# Altium PCB DCAC_V2c.PcbDoc (part 7 of 7) (continued)
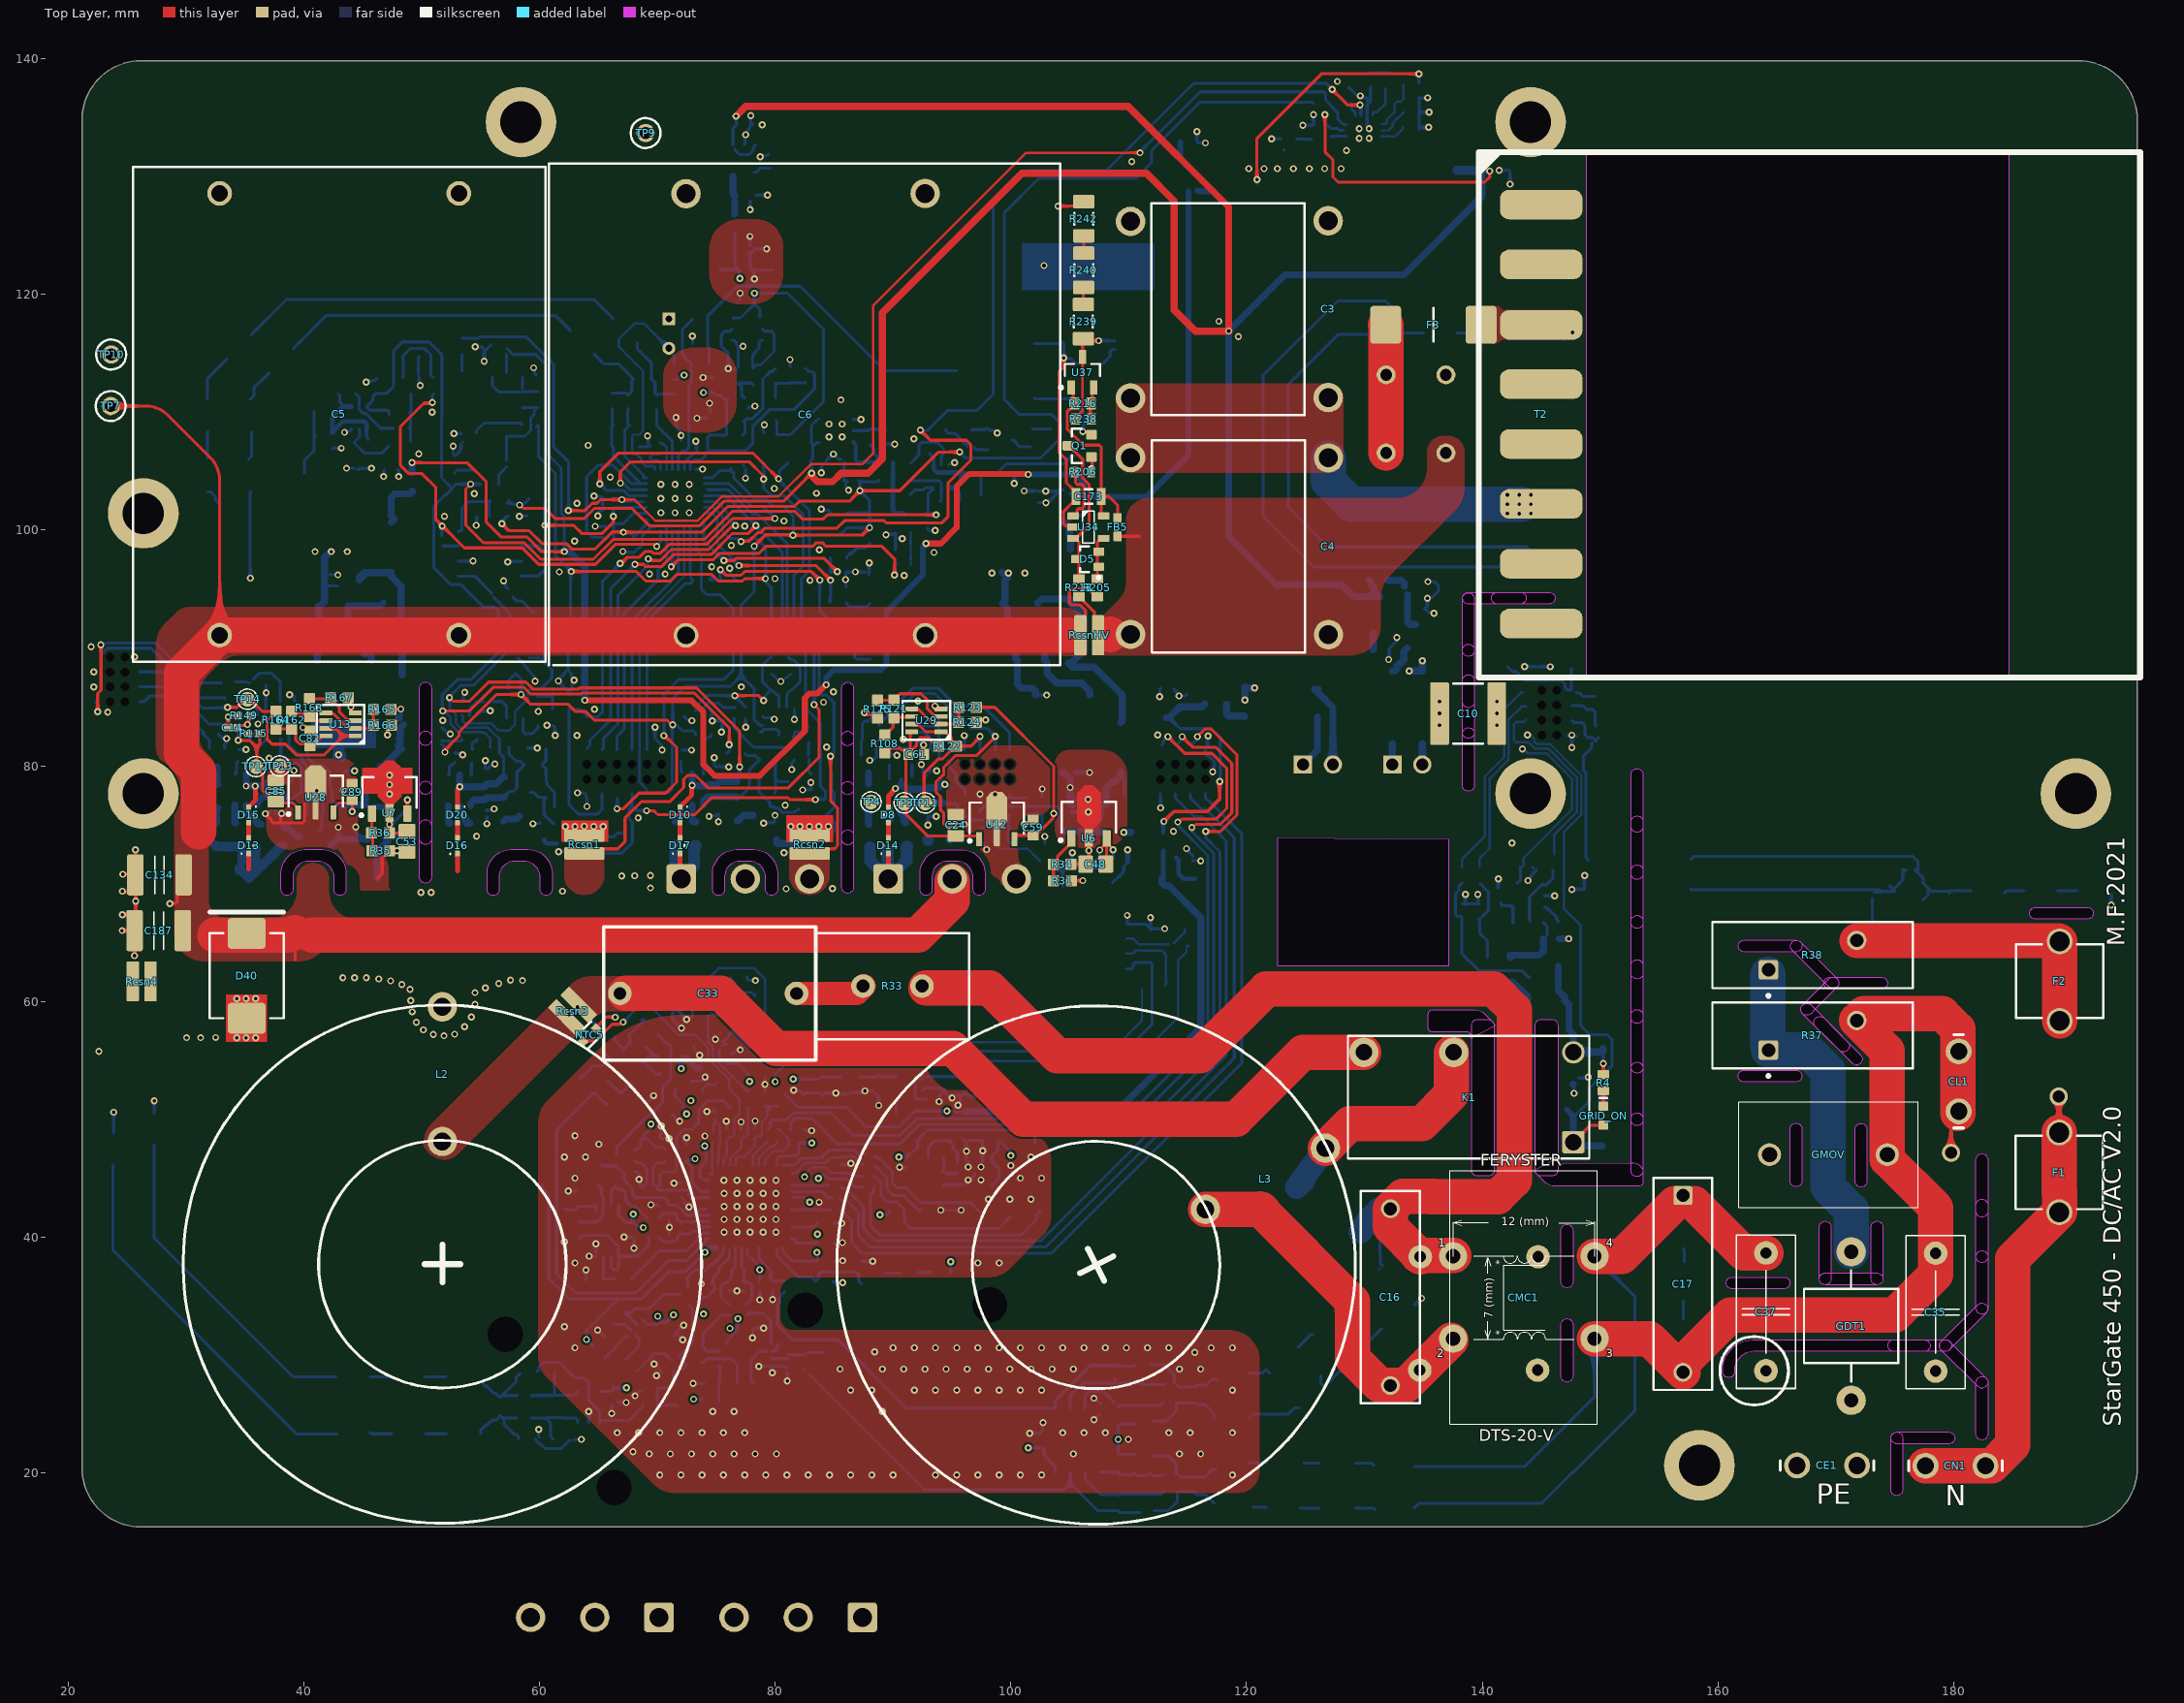
[diagram p0: Top Layer view]
## Polygon pours and split planes (outlines as drawn) (continued)
IND_GND on BOTT_RTN "IND_GND_L03_P054" (solid, pour order 54): 137.065,41.498 137.795,41.498 137.795,18.23 cw(c135.465,18.23) 135.465,15.9 26.425,15.9 cw(c26.425,20.625) 21.7,20.625 21.7,25.485 cw(c24.24,25.485) 24.24,28.025 115.385,28.025 cw(c115.385,25.485) 117.925,25.485 117.925,26.76 ccw(c115.385,26.76) 115.385,29.3 114.225,29.3 cw(c114.225,29.575) 113.95,29.575 113.95,31.925 116.473,31.925 ccw(c116.473,34.465) 118.269,32.669 130.275,41.498 135.9,41.498
TOP_LF_GND on BOTT_RTN "TOP_LF_GND_L03_P009" (solid, remove dead copper, pour order 9): 88.225,68.775 cw(c88.225,69.975) 87.025,69.975 87.025,83.635 cw(c89.565,83.635) 89.565,86.175 94.798,86.175 cw(c94.798,83.635) 96.594,85.431 100.506,81.519 ccw(c102.302,83.315) 102.302,80.775 108.01,80.775 cw(c108.01,78.235) 110.55,78.235 110.55,72.55 cw(c107.09,72.235) 106.775,68.775 91.5,68.775
TOP_HF_GND on BOTT_RTN "TOP_HF_GND_L03_P005" (solid, remove dead copper, pour order 5): 46.573,68.775 ccw(c46.573,71.315) 48.369,69.519 49.306,70.456 ccw(c47.51,72.252) 50.05,72.252 50.05,83.275 ccw(c47.75,83.275) 47.75,85.575 39.831,85.575 38.669,86.531 ccw(c36.873,84.735) 36.873,87.275 33.125,87.275 ccw(c33.125,85.344) 31.759,86.709 31.7,86.65 ccw(c33.148,85.202) 31.1,85.202 31.1,80.053 ccw(c32.462,80.053) 31.499,79.089 cw(c31.185,78.959) 31.525,78.959 31.525,71.993 ccw(c33.621,71.993) 32.14,70.51 33.743,68.907 ccw(c34.062,69.227) 34.062,68.775
IND_GND on BOTT_RTN "IND_GND_L03_P053" (solid, remove dead copper, pour order 53): 57.75,33.075 57.75,33.015 cw(c55.21,33.015) 55.21,30.475 39.802,30.475 cw(c39.802,33.015) 38.006,31.219 30.144,39.081 cw(c31.94,40.877) 29.4,40.877 29.4,48.577 ccw(c28.119,48.577) 28.119,49.859 22.981,49.859 ccw(c22.981,48.577) 21.7,48.577 21.7,20.815 ccw(c24.24,20.815) 24.24,18.275 73.05,18.275
IND_GND on BOTT_RTN "IND_GND_L03_P089" (solid, remove dead copper, pour order 89): 119.55,74.8 cw(c121.481,74.8) 120.116,76.166 121.831,77.881 ccw(c120.035,79.677) 122.575,79.677 122.575,85.675 ccw(c120.525,85.675) 120.525,87.725 112.495,87.725 ccw(c112.495,87.055) 111.825,87.055 111.825,74.975
"EARTH GND" on BOTT_RTN "NONET_L-01_P-001" (solid, remove dead copper, pour order 111): 143.12,38.56 cw(c144.635,38.56) 144.635,40.075 144.775,40.075 cw(c144.775,38.435) 146.415,38.435 146.415,28.54 ccw(c148.605,28.54) 148.605,26.35 159.23,26.35 ccw(c159.23,28.53) 161.41,28.53 161.41,28.735 cw(c162.925,28.735) 162.925,30.25 178.51,30.25 cw(c178.51,28.74) 180.02,28.74 cw(c178.255,28.74) 178.255,26.975 176.69,26.975 ccw(c176.69,24.435) 174.15,24.435 174.15,18.575 cw(c171.61,18.575) 171.61,16.035 145.66,16.035 cw(c145.66,18.575) 143.12,18.575 143.12,38.4
BOTT_GND on BOTT_RTN "BOTT_GND_L03_P020" (solid, remove dead copper, pour order 20): 65.625,100.875 ccw(c65.565,100.935) 65.65,100.935 65.65,106.525 74.848,106.525 cw(c74.848,103.985) 76.644,105.781 80.775,101.65 cw(c80.534,101.409) 80.875,101.409 80.875,97.9 67.277,97.9 cw(c67.277,100.44) 65.481,98.644 64.55,99.575 65.006,100.031 ccw(c63.21,101.827) 65.75,101.827 65.75,102.05
GND on BOTT_RTN "NONET_L-01_P-001" (solid, remove dead copper, pour order 96): 149.45,63.05 149.45,79.07 cw(c150.345,79.08) 150.335,79.975 151.245,79.975 ccw(c151.245,81.055) 152.325,81.055 152.325,85.675 ccw(c151.575,85.675) 151.575,86.425 149.025,86.425 cw(c149.025,86.95) 148.5,86.95 148.5,88.925 ccw(c148.125,88.925) 148.125,89.3 142.675,89.3 ccw(c142.444,86.642) 139.785,86.425 139.785,63.05
IND_GND on BOTT_RTN "IND_GND_L03_P047" (solid, remove dead copper, pour order 47): 103.175,37.5 101.694,36.019 cw(c99.898,37.815) 99.898,35.275 81.8,35.275 ccw(c81.8,33.875) 80.4,33.875 80.4,33.225 ccw(c81.525,33.225) 81.525,32.1 113.198,32.1 cw(c113.198,29.56) 114.994,31.356 118.675,27.675 118.144,27.144 cw(c116.348,28.94) 116.348,26.4 76.152,26.4 cw(c76.152,28.94) 74.356,27.144 71.319,30.181 cw(c73.115,31.977) 70.575,31.977 70.575,37.473 cw(c73.115,37.473) 71.319,39.269 73.75,41.7 ccw(c75.078,43.028) 75.078,41.15 101.1,41.15
TOP_HF_GND on BOTT_RTN "TOP_HF_GND_L03_P030" (solid, remove dead copper, pour order 30): 32.625,79.775 28.719,83.681 ccw(c26.923,81.885) 26.923,84.425 22.875,84.425 cw(c22.875,85.6) 21.7,85.6 21.7,90.075 cw(c22.175,90.075) 22.175,90.55 27.798,90.55 cw(c27.798,88.01) 29.594,89.806 30.9,88.5 ccw(c31.745,89.345) 31.745,88.15 36.598,88.15 cw(c36.598,85.61) 38.394,87.406 40.431,85.369 ccw(c42.227,87.165) 42.227,84.625 43.625,84.625
IND_GND on BOTT_RTN "IND_GND_L03_P090" (solid, pour order 90): 84.29,58.983 ccw(c86.564,61.765) 86.923,58.19 104.926,58.19 ccw(c105.084,62.345) 107.91,59.295 cw(c106.783,58.562) 108.098,58.283 106.828,57.065 cw(c106.165,57.065) 106.633,56.596 106.528,56.49 cw(c104.351,57.614) 105.095,55.28 88.26,55.28 cw(c88.957,58.646) 86.084,56.759 85.528,57.315 cw(c86.566,59.821) 84.06,58.783 84.06,58.983
BOTT_GND on BOTT_RTN "BOTT_GND_L03_P065" (solid, remove dead copper, pour order 65): 108.825,136.835 cw(c111.365,136.835) 111.365,139.375 145.735,139.375 cw(c145.735,136.835) 148.275,136.835 148.275,91.865 cw(c145.735,91.865) 145.735,89.325 111.371,89.325 cw(c111.365,91.865) 108.825,91.865 108.825,134.05
BOTT_GND on BOTT_RTN "NONET_L-01_P-001" (solid, pour order 103): 135.7,87.475 135.7,87.987 cw(c137.663,87.987) 136.275,89.375 136.141,89.509 ccw(c134.775,88.144) 134.775,90.075 131.206,90.075 cw(c131.206,90.331) 131.025,90.15 131.325,89.85 130.4,89.85 130.4,89.35 cw(c130.4,88.505) 130.997,89.103 131.25,88.85 cw(c130.647,88.246) 131.5,88.246 131.5,87.525 ccw(c131.825,87.525) 131.825,87.2 135.425,87.2 ccw(c135.425,87.475)
GND on BOTT_RTN "NONET_L-01_P-001" (solid, remove dead copper, pour order 102): 140.2,62.775 cw(c139.765,65.295) 138.29,63.205 137.5,63.996 cw(c138.285,64.78) 137.175,64.78 137.175,71.32 cw(c138.626,71.32) 137.6,72.346 138.002,72.748 ccw(c136.454,75.932) 139.8,74.775 140.588,74.646 cw(c140.588,74.134) 140.95,74.496
BOTT_GND on BOTT_RTN "BOTT_GND_L03_P064" (solid, remove dead copper, pour order 64): 51.9,116.15 53.207,116.15 ccw(c53.207,116.918) 53.75,116.375 cw(c54.655,115.47) 54.655,116.75 56.725,116.75 cw(c56.725,115.181) 57.835,116.29 58.279,115.846 cw(c57.088,114.651) 58.775,114.651 58.775,107.275 56.622,107.275 ccw(c56.622,106.678) 56.2,107.1
GND on BOTT_RTN "NONET_L-01_P-001" (solid, pour order 97): 140.55,63.1 138.6,63.05 ccw(c147.34,69.297) 145.577,58.7 146.075,58.7 cw(c146.075,58.125) 146.65,58.125 146.65,47.8 ccw(c147.55,47.775) 147.525,46.875 150.42,46.875 ccw(c150.42,47.8) 151.345,47.8 151.345,56.395 ccw(c150.108,56.463) 150.175,57.7 cw(c150.175,58.425) 149.45,58.425 149.45,63.45 ccw(c149,63.45) 149,63.9
TOP_LF_GND on BOTT_RTN "TOP_LF_GND_L03_P086" (solid, remove dead copper, pour order 86): 87.025,83.325 87.025,84.285 cw(c89.565,84.285) 89.565,86.825 96.273,86.825 cw(c96.273,84.285) 98.069,86.081 102.081,82.069 ccw(c103.877,83.865) 103.877,81.325 108.8,81.325 cw(c108.8,79.586) 110.539,79.586 110.539,78.25
BOTT_GND on BOTT_RTN "BOTT_GND_L03_P085" (solid, pour order 85): 34.01,89.65 ccw(c34.01,92.19) 36.55,92.19 36.55,110.298 cw(c39.09,110.298) 37.294,112.094 41.981,116.781 cw(c43.777,114.985) 43.777,117.525 59.623,117.525 cw(c59.623,114.985) 61.419,116.781 64.073,114.127 ccw(c65.225,115.28) 65.225,113.65 67.448,113.65 ccw(c67.448,116.19) 69.244,114.394 70.225,115.375 ccw(c69.742,115.858) 70.425,115.858 70.425,116.325 ccw(c69.761,116.325) 70.231,116.794 67.725,119.3 ccw(c66.639,118.214) 66.639,119.75 38.227,119.75 ccw(c38.227,117.21) 36.431,119.006 31.569,114.144 ccw(c33.365,112.348) 30.825,112.348 30.825,91.625 ccw(c32.8,91.625) 32.8,89.65
NetD25_1 on BOTT_RTN "NETD25_1_L03_P029" (solid, remove dead copper, pour order 29): 101.575,97.45 cw(c101.575,96.35) 102.675,96.35 ccw(c103.625,96.35) 103.625,95.4 106,95.4 cw(c106,94.45) 106.95,94.45 106.95,90.177 ccw(c109.49,90.177) 107.694,88.381 109.8,86.275 cw(c108.774,85.249) 110.225,85.249 110.225,82.9 cw(c109.675,82.9) 109.675,82.35 108.825,82.35 cw(c108.825,82.9) 108.275,82.9 108.275,83.825 ccw(c107.1,83.825) 107.1,85 101.49,85 cw(c101.49,87.54) 98.95,87.54 98.95,94.75 ccw(c98.35,94.75) 98.35,95.35 cw(c98.35,95.85) 97.85,95.85 97.85,96.975 cw(c98.325,96.975) 98.325,97.45 99.7,97.45
TOP_HF_GND on BOTT_RTN "TOP_HF_GND_L03_P036" (solid, remove dead copper, pour order 36): 21.579,84.305 ccw(c21.954,84.305) 21.954,83.93 23.429,83.93 ccw(c23.429,84.33) 23.829,84.33 23.829,84.605 cw(c23.829,84.805) 23.629,84.805 23.629,90.405 ccw(c23.154,90.405) 23.154,90.88 22.054,90.88 ccw(c22.054,90.405) 21.579,90.405
NetD27_1 on BOTT_RTN "NETD27_1_L03_P028" (solid, remove dead copper, pour order 28): 45,99.1 cw(c45,94.75) 49.35,94.75 49.35,87.05 cw(c48.945,87.12) 48.875,86.715 47.5,86.715 cw(c47.443,87.132) 47.025,87.075 ccw(c46.175,87.075) 46.175,87.925 41.525,87.925 cw(c41.525,90.425) 39.025,90.425 39.025,97.4 cw(c40.725,97.4) 40.725,99.1
TOP_HF_MOS_VSN on Bottom Layer "TOP_HF_MOS_VSN_L04_P073" (solid, remove dead copper, pour order 73): 44.45,78.475 46.975,81 46.975,84 46.125,84.85 40.575,84.85 39.475,83.75 39.475,81.525 42.525,78.475
TOP_LF_MOS_VSN on Bottom Layer "TOP_LF_MOS_VSN_L04_P074" (solid, remove dead copper, pour order 74): 106.75,75.725 108.025,77 108.025,80.925 107.6,81.35 101.425,81.35 100.625,80.55 100.625,78.125 103.025,75.725
TOP_HF_MOS_VSN on Bottom Layer "TOP_HF_MOS_VSN_L04_P069" (solid, remove dead copper, pour order 69): 35.646,79.763 33.871,79.763 ccw(c33.871,79.738) 33.846,79.738 33.846,76.813 38.696,76.813 ccw(c38.696,77.688) 39.571,77.688 39.571,79.888 ccw(c39.171,79.888) 39.171,80.288 36.335,80.288 ccw(c36.253,79.68)
V_3VN on Bottom Layer "V_3VN_L04_P068" (solid, remove dead copper, pour order 68): 53.746,79.688 51.971,79.688 ccw(c51.971,79.663) 51.946,79.663 51.946,76.738 56.796,76.738 ccw(c56.796,77.613) 57.671,77.613 57.671,79.813 ccw(c57.271,79.813) 57.271,80.213 54.435,80.213 ccw(c54.353,79.605)
V_3VN on Bottom Layer "V_3VN_L04_P067" (solid, remove dead copper, pour order 67): 73.475,79.775 71.7,79.775 ccw(c71.7,79.75) 71.675,79.75 71.675,76.825 76.525,76.825 ccw(c76.525,77.7) 77.4,77.7 77.4,79.9 ccw(c77,79.9) 77,80.3 74.165,80.3 ccw(c74.082,79.693)
BOTT_GND on Bottom Layer "NONET_L-01_P-001" (solid, pour order 123): 78.969,66.725 ccw(c78.884,68.216) 80.375,68.302 80.375,69.375 cw(c82.912,69.462) 82.825,72 83.175,72 cw(c83.238,69.688) 85.55,69.75 85.55,68.55 ccw(c87.375,68.55) 87.375,66.725
BOTT_GND on Bottom Layer "NONET_L-01_P-001" (solid, pour order 122): 67.45,63.925 71.324,63.925 ccw(c71.324,65.376) 72.35,64.35 cw(c73.436,63.264) 73.436,64.8 78.015,64.8 cw(c78.015,63.69) 78.8,64.475 ccw(c79.886,65.561) 79.886,64.025 94.375,64.025 ccw(c94.375,65.35) 95.7,65.35 95.7,66.025 ccw(c94.8,66.025) 94.8,66.925 71.125,66.925 cw(c71.125,68.175) 69.875,68.175 ccw(c69.75,68.175) 69.75,68.3 67.5,68.3
N_GRID_BF_RELAY on Bottom Layer "NONET_L-01_P-001" (solid, remove dead copper, pour order 121): 91.45,61.3 cw(c92.4,61.35) 92.35,62.3 95.625,62.3 ccw(c95.655,63.737) 96.65,62.7 97.568,63.618 cw(c99.364,61.822) 99.364,64.362 104.888,64.362 cw(c104.888,64.025) 105.225,64.025 105.225,62.775 cw(c104.925,62.775) 104.925,62.475 101.652,62.475 ccw(c101.652,59.935) 99.856,61.731 98.694,60.569 cw(c96.898,62.365) 96.898,59.825 93.025,59.825 cw(c93.141,61.527)
TOP_LF_GND on Bottom Layer "NONET_L-01_P-001" (solid, remove dead copper, pour order 119): 104.925,66.9 cw(c104.925,66.6) 105.225,66.6 105.225,65.3 cw(c104.95,65.3) 104.95,65.025 99.95,65.025 cw(c99.95,66) 98.975,66 98.975,70.4 cw(c100.3,70.4) 100.3,71.725 100.65,71.725 cw(c100.65,70.575) 101.8,70.575 101.8,67.45 ccw(c102.35,67.45) 102.35,66.9
BOTT_GND on Bottom Layer "NONET_L-01_P-001" (solid, remove dead copper, pour order 113): 29.181,73.76 cw(c29.181,72.821) 29.845,73.485 29.895,73.435 cw(c28.965,72.505) 30.28,72.505 30.28,69.62 ccw(c32.82,69.62) 32.82,67.08 59.855,67.08 ccw(c59.855,68.8) 61.575,68.8 61.575,70.297 cw(c63.114,70.452) 62.96,71.99 68.4,71.99 cw(c68.37,70.48) 69.88,70.45 69.88,65.935 cw(c67.87,65.935) 67.87,63.925 65.342,63.925 ccw(c65.402,55.228) 59.21,61.335 cw(c43.696,74.667) 45.239,54.27 24.24,54.27 cw(c24.24,56.81) 21.7,56.81 21.7,72.555 cw(c22.905,72.555) 22.905,73.76
TOP_HF_GND on Bottom Layer "TOP_HF_GND_L04_P007" (solid, remove dead copper, pour order 7): 40.805,74.5 40.805,72.47 42.569,70.706 ccw(c46.205,74.342) 46.205,69.2 ccw(c46.205,71.045) 48.05,71.045 48.05,74.225 ccw(c47.775,74.225) 47.775,74.5
VH_TOP_HF_MOS on Bottom Layer "NONET_L-01_P-001" (solid, remove dead copper, pour order 106): 33.925,70.45 ccw(c32.8,70.45) 32.8,71.575 cw(c32.912,72.512) 31.975,72.625 31.975,73.45 cw(c32.412,73.387) 32.475,73.825 38.75,73.825 cw(c38.75,73.575) 39,73.575 39,72.227 cw(c34.074,73.58) 36.6,69.14 34.195,69.14 cw(c34.255,69.47) 33.925,69.53
VH_BOTT_HF_MOS on Bottom Layer "VH_BOTT_HF_MOS_L04_P011" (solid, remove dead copper, pour order 11): 54.275,69 55.225,69 55.55,69.325 55.55,71.15 56.975,72.575 58.8,72.575 58.8,74.375 52.825,74.375 ccw(c52.825,72.9) 51.35,72.9 51.35,69.905 ccw(c52.255,69.905) 52.255,69 55.225,69 ccw(c55.225,69.325) 55.55,69.325
VH_BOTT_LF_MOS on Bottom Layer "VH_BOTT_LF_MOS_L04_P012" (solid, remove dead copper, pour order 12): 73.467,68.995 74.417,68.995 74.742,69.32 74.742,71.145 76.167,72.57 77.992,72.57 77.992,74.37 72.017,74.37 ccw(c72.017,72.895) 70.542,72.895 70.542,69.495 ccw(c71.042,69.495) 71.042,68.995 74.417,68.995 ccw(c74.417,69.32) 74.742,69.32
VH_TOP_LF_MOS on Bottom Layer "VH_TOP_LF_MOS_L04_P079" (solid, remove dead copper, pour order 79): 93.475,72.8 ccw(c93.475,70.95) 91.625,70.95 91.625,69.375 cw(c91.125,69.375) 91.125,68.875 87.95,68.875 cw(c87.95,69.925) 86.9,69.925 86.9,73.5 cw(c87.375,73.5) 87.375,73.975 91.775,73.975 ccw(c91.775,74.225) 92.025,74.225 cw(c92.275,74.225) 92.275,74.475 93.25,74.475 cw(c93.25,74.25) 93.475,74.25
BOTT_GND on Bottom Layer "NONET_L-01_P-001" (solid, remove dead copper, pour order 114): 44.71,66.535 47.79,67.05 ccw(c47.79,68.28) 49.02,68.28 49.02,68.67 cw(c49.98,68.67) 49.98,69.63 50.66,69.63 cw(c50.66,69.065) 51.225,69.065 ccw(c54.292,69.737) 54.965,66.67
BOTT_GND on Bottom Layer "NONET_L-01_P-001" (solid, remove dead copper, pour order 101): 128.875,133.075 128.875,132.775 129.075,132.575 129.375,132.575 129.375,131.775 129.6,131.55 129.6,130.35 119.9,130.35 119.4,130.85 119.4,132.2 119.7,132.5 127.45,132.5 128.025,133.075 128.525,133.075
NetC179_2 on Bottom Layer "NONET_L-01_P-001" (solid, remove dead copper, pour order 100): 131.475,129.5 130.9,130.075 119.25,130.075 118.325,129.15 118.325,128.45 118.775,128 128.25,128 129.1,127.15 131.5,127.15
TOP_LF_MOS_VSN on Bottom Layer "TOP_LF_MOS_VSN_L04_P070" (solid, remove dead copper, pour order 70): 91.221,79.513 89.446,79.513 ccw(c89.446,79.488) 89.421,79.488 89.421,76.563 94.271,76.563 ccw(c94.271,77.438) 95.146,77.438 95.146,79.638 ccw(c94.746,79.638) 94.746,80.038 91.91,80.038 ccw(c91.828,79.43)
NetD35_1 on Bottom Layer "NONET_L-01_P-001" (solid, remove dead copper, pour order 99): 130.075,132.575 133.35,132.575 134.35,131.575 134.35,130.525 133.45,129.625 132.35,129.625 131.45,130.525 130.075,130.525
NetD27_1 on Bottom Layer "NETD27_1_L04_P077" (solid, remove dead copper, pour order 77): 40.425,99.125 ccw(c40.425,97.85) 39.15,97.85 39.15,89.95 ccw(c41.2,89.95) 41.2,87.9 41.575,87.9 ccw(c41.575,89.425) 43.1,89.425 43.1,93.125 cw(c44.85,93.125) 44.85,94.875 ccw(c44.85,96.65) 46.625,96.65 46.625,98.125 ccw(c45.625,98.125) 45.625,99.125 45.4,99.125
NetD25_1 on Bottom Layer "NETD25_1_L04_P075" (solid, remove dead copper, pour order 75): 97.375,97.225 102.375,97.225 cw(c102.375,96.8) 102.8,96.8 102.8,85.5 cw(c102.25,85.5) 102.25,84.95 102.202,84.95 cw(c102.202,87.49) 100.406,85.694 97.369,88.731 cw(c99.165,90.527) 96.625,90.527 96.625,96.475 cw(c97.375,96.475)
"EARTH GND" on Bottom Layer "EARTH_GND_L04_P040" (solid, remove dead copper, pour order 40): 163.098,29.88 177.399,29.88 cw(c178.134,28.218) 179.75,27.385 172.274,27.385 cw(c166.961,22.99) 172.691,19.155 166.799,19.155 cw(c166.799,20.83) 165.124,20.83 ccw(c163.434,20.83) 164.629,22.025 162.367,24.286 cw(c164.164,26.082) 161.624,26.082 161.624,28.405 cw(c163.098,28.405)
IND_V_5A on TOP_RTN "IND_V_5A_L02_P072" (solid, remove dead copper, pour order 72): 75.16,56.469 72.238,56.469 ccw(c72.237,53.93) 70.441,55.725 67.404,52.688 ccw(c69.2,50.892) 66.66,50.892 66.66,28.132 ccw(c68.624,28.132) 67.235,26.744 ccw(c68.684,28.193) 68.684,26.144 77.835,26.144 cw(c77.835,24.455) 79.03,25.649 80.86,23.819 ccw(c81.404,24.362) 81.404,23.594 83.085,23.594 ccw(c83.085,24.982) 84.067,24.001 84.26,24.194 ccw(c83.295,25.16) 84.66,25.16 84.66,27.544 ccw(c82.307,27.544) 83.971,29.208 80.29,31.915 cw(c86.108,37.172) 78.276,37.568 ccw(c76.054,36.649) 77.753,38.351 75.354,40.75 cw(c77.15,42.546) 74.61,42.546 74.61,48.044 cw(c75.516,48.044) 74.876,48.684 76.791,50.6 ccw(c75.703,59.166) 82.825,54.283 78.85,54.283 ccw(c75.755,53.266)
BOTT_GND on TOP_RTN "BOTT_GND" (solid, remove dead copper, pour order 62): 148.275,135.7 ccw(c144.6,135.7) 144.6,139.375 26.839,139.375 ccw(c26.839,134.272) 23.23,137.88 ccw(c26.945,134.177) 21.7,134.177 21.7,47.29 ccw(c24.24,47.29) 24.24,44.75 50.523,44.75 ccw(c50.523,47.29) 52.319,45.494 65.31,58.485 cw(c65.95,57.845) 65.95,58.75 72.476,58.75 cw(c72.477,56.703) 73.925,58.15 ccw(c75.011,59.236) 75.011,57.7 80.848,57.7 cw(c80.848,55.161) 82.644,56.956 84.831,54.769 ccw(c86.627,56.565) 86.627,54.025 100.048,54.025 cw(c100.048,51.486) 101.844,53.281 128.781,26.344 ccw(c132.383,27.724) 130.812,24.201 134.03,24.04 ccw(c132.643,28.558) 136.819,26.344 139.081,28.606 ccw(c137.285,30.402) 139.825,30.402 139.825,47.775 ccw(c137.714,47.775) 139.206,49.269 137.319,51.156 cw(c139.115,52.952) 136.575,52.952 136.575,59.7 ccw(c132.703,60.421) 135.95,62.65 121.425,62.65 cw(c113.701,76.775) 109.175,61.325 109.175,88.465 137.15,88.465 cw(c147.706,88.727) 140.075,96.025 145.5,96.025 ccw(c145.044,99.256) 148.275,99.712 148.275,96.7
BOTT_GND on TOP_RTN "NONET_L-01_P-001" (solid, pour order 105): 134.65,62.425 140.298,62.425 cw(c140.298,59.885) 142.094,61.681 143.748,60.027 cw(c142.595,58.875) 144.225,58.875 143.905,45.815 cw(c139.699,45.572) 142.845,42.77 140.569,40.269 ccw(c142.365,38.473) 139.825,38.473 139.825,38.075 134.86,38.075 ccw(c134.86,37.99) 134.8,38.05 cw(c135.343,38.593) 134.575,38.593 134.575,62.275
BOTT_GND on TOP_RTN "NONET_L-01_P-001" (solid, pour order 120): 108.075,47.5 107.844,47.731 ccw(c106.048,45.935) 106.048,48.475 101.177,48.475 cw(c101.177,51.015) 99.381,49.219 95.047,53.553 cw(c96.669,55.175) 94.375,55.175 103.805,55.175 cw(c103.805,53.98) 104.65,54.825
IND_V_3V3D on TOP_RTN "IND_V_3V3D_L02_P035" (solid, remove dead copper, pour order 35): 86.574,49.65 ccw(c86.214,48.781) 85.854,49.65 77.126,49.65 ccw(c77.126,47.11) 75.33,48.906 74.524,48.1 ccw(c74.431,47.512) 74.081,47.993 74.05,47.875 ccw(c74.063,47.631) 73.881,47.794 73.835,47.5 ccw(c76.396,50.354) 76.601,46.525 80.149,46.525 80.955,45.719 cw(c79.159,43.923) 81.699,43.923 81.699,40.052 ccw(c84.239,40.052) 82.443,38.256 82.874,37.825 ccw(c83.478,38.429) 83.478,37.575 94.659,37.575 ccw(c94.659,39.965) 96.349,38.275 ccw(c94.599,40.025) 97.074,40.025 97.074,43.975 95.921,45.128 ccw(c94.299,43.507) 94.299,45.8 cw(c94.299,48.214) 92.592,46.507 90.193,48.906 ccw(c88.397,47.11) 88.397,49.65 85.474,49.65
BOTT_GND on TOP_RTN "BOTT_GND" (solid, remove dead copper, pour order 63): 21.7,20.25 ccw(c26.049,20.25) 26.049,15.901 58.185,15.901 ccw(c58.185,18.441) 60.725,18.441 60.725,49.598 cw(c63.265,49.598) 61.469,51.394 68.081,58.006 cw(c69.877,56.21) 69.877,58.75 73.3,58.75 73.3,59.948 ccw(c70.76,59.948) 72.556,61.744 70.169,64.131 ccw(c68.373,62.335) 68.373,64.875 21.7,64.875
TOP_HF_MOS_VSN on TOP_RTN "TOP_HF_MOS_VSN_L02_P056" (solid, remove dead copper, pour order 56): 39.86,68.775 47.58,68.775 ccw(c45.508,72.967) 49.7,75.04 49.7,83.585 ccw(c47.16,83.585) 47.16,86.125 35.665,86.125 ccw(c35.665,83.585) 33.125,83.585 33.125,69.725 ccw(c34.075,69.725) 34.075,68.775
TOP_LF_MOS_VSN on TOP_RTN "TOP_LF_MOS_VSN_L02_P042" (solid, remove dead copper, pour order 42): 87.025,69.975 ccw(c88.225,69.975) 88.225,68.775 96.875,68.775 ccw(c96.875,69.475) 97.575,69.475 97.575,70.635 cw(c100.115,70.635) 100.115,73.175 101.1,73.175 cw(c101.1,70.75) 103.525,70.75 ccw(c104.55,70.75) 104.55,69.725 109.025,69.725 ccw(c109.025,71.125) 110.425,71.125 110.425,79.075 ccw(c107.95,78.85) 107.725,81.325 103.877,81.325 cw(c103.877,83.865) 102.081,82.069 98.069,86.081 ccw(c96.273,84.285) 96.273,86.825 89.565,86.825 ccw(c89.565,84.285) 87.025,84.285
IND_GND on TOP_RTN "IND_GND_L02_P037" (solid, remove dead copper, pour order 37): 111.775,81.625 cw(c113.471,81.671) 113.425,83.367 117.785,83.368 cw(c117.785,80.828) 120.325,80.828 120.325,76.87 cw(c117.785,76.87) 119.581,75.074 117.056,72.549 cw(c116.741,72.861) 116.741,72.418 114.915,72.418 cw(c114.673,75.316) 111.775,75.074 111.775,80.275
IND_V_5A on TOP_RTN "NONET_L-01_P-001" (solid, remove dead copper, pour order 27): 84.66,26.18 ccw(c82.609,25.7) 83.72,27.49 84.58,28.15 ccw(c90.954,31.11) 88.54,24.51 101.545,24.51 cw(c100.665,22.99) 102.185,22.11 102.185,22.01 cw(c101.545,22.01) 101.545,21.37 84.362,21.37 cw(c84.362,23.91) 82.566,22.114 80.59,24.09
GND on TOP_RTN "NONET_L-01_P-001" (solid, remove dead copper, pour order 109): 140.425,81.8 145.925,81.8 cw(c145.925,81.2) 146.525,81.2 ccw(c146.9,81.2) 146.9,80.825 148.125,80.825 ccw(c148.125,81.2) 148.5,81.2 148.5,88.1 ccw(c147.325,88.1) 147.325,89.275 141.05,89.275 ccw(c141.05,88.65) 140.425,88.65
TOP_HF_GND on TOP_RTN "TOP_HF_GND_L02_P033" (solid, remove dead copper, pour order 33): 21.575,90.65 cw(c22.025,90.65) 22.025,91.1 25.575,91.1 cw(c25.575,90.7) 25.975,90.7 25.975,84.425 cw(c25.475,84.425) 25.475,83.925 21.95,83.925 cw(c21.95,84.3) 21.575,84.3
TOP_HF_GND on TOP_RTN "TOP_HF_GND_L02_P055" (solid, remove dead copper, pour order 55): 21.58,90.453 cw(c22.005,90.453) 22.005,90.878 23.18,90.878 cw(c23.18,90.578) 23.48,90.578 23.48,85.128 ccw(c23.68,85.128) 23.68,84.928 cw(c23.68,84.778) 23.83,84.778 23.83,84.353 cw(c23.405,84.353) 23.405,83.928 21.955,83.928 cw(c21.955,84.303) 21.58,84.303 21.58,90.353

## Other copper
Top Layer:
  rectangle net TOP_HF_MOS_VSN: 44.95,77.6 49.225,79.85
  rectangle net BOTT_GND: 33.375,56.575 36.875,60.6
  rectangle net BOTT_GND: 80.931,73.517 84.931,75.817
  rectangle net BOTT_GND: 61.825,73.525 65.825,75.35
TOP_RTN:
  region net BOTT_GND: 135.573,85.423 137.1,86.95 133.912,90.138 132.385,88.61
  rectangle net BOTT_GND: 135.525,81.8 137.175,88.875
  pour cut-out: 45.148,69.147 cw(c46.276,70.404) 47.901,70.867 cw(c46.234,70.473)
  pour cut-out: 91.272,91.062 cw(c92.747,91.062) 92.747,92.537 92.797,92.537 cw(c92.797,91.087) 94.247,91.087 cw(c92.747,91.087) 92.747,89.587 92.722,89.587 cw(c92.722,91.037) 91.272,91.037
  pour cut-out: 32.6,81.625 32.6,84.59 cw(c33.649,84.59) 32.907,85.332 33.754,86.179 cw(c35.552,84.385) 35.552,86.925 38.961,86.925 cw(c38.961,85.986) 39.625,86.65 cw(c38.961,87.314) 38.961,86.375 35.374,86.375 ccw(c35.373,84.327) 33.925,85.775 33.819,85.669 ccw(c35.615,83.873) 33.075,83.873 33.075,81.6
  pour cut-out: 108.85,67.225 108.85,69.225 108.825,69.2 102.15,69.2 102.15,61.3 108.872,61.3
BOTT_RTN:
  pour cut-out: 136.225,89.325 138.556,95.331 cw(c140.352,93.535) 140.352,96.075 148.35,96.075 cw(c148.29,96.015) 148.375,96.015 148.375,89.275
  pour cut-out: 141.125,88.975 141.125,81.625 cw(c140.35,81.625) 140.35,80.85 ccw(c140.35,80.275) 139.775,80.275 139.775,80.075 139.625,80.075 139.625,88.7 cw(c139.9,88.7) 139.9,88.975
  pour cut-out: 55.65,116.475 57.498,116.475 cw(c57.498,113.935) 59.294,115.731 61.398,113.627 cw(c60.972,113.2) 61.575,113.2 61.575,106.65 ccw(c62.903,106.65) 61.964,105.711 62.325,105.35 cw(c62.084,105.109) 62.425,105.109 62.425,102.475 62.675,102.475 62.675,104.961 ccw(c61.736,104.961) 62.4,105.625 cw(c63.849,107.074) 61.8,107.074 61.8,113.332 ccw(c61.032,113.332) 61.575,113.875 59.494,115.956 ccw(c57.698,114.161) 57.698,116.7 55.65,116.7
  pour cut-out: 136.45,139.475 136.45,133.475 135.875,132.9 132.7,132.9 129.675,135.925 129.675,135.6 132.6,132.675 136.025,132.675 136.7,133.35 136.7,139.475
Bottom Layer:
  rectangle net BOTT_GND: 100.925,120.35 112.175,124.325
  rectangle net TOP_HF_MOS_VSN: 40.6,81.475 46.125,83.925
Multi-Layer:
  pour cut-out: 86.334,59.981 cw(c87.463,61.238) 89.088,61.701 cw(c87.42,61.306)
  pour cut-out: 80.584,59.431 cw(c81.713,60.688) 83.338,61.151 cw(c81.67,60.756)
  pour cut-out: 76.208,68.279 80.383,68.279 80.383,70.7 ccw(c78.49,70.414) 77.938,72.247 ccw(c77.101,69.517) 74.371,70.354 74.371,68.279
  pour cut-out: 133.64,27.466 cw(c134.769,28.723) 136.393,29.186 cw(c134.726,28.792)
  pour cut-out: 133.68,37.116 cw(c134.809,38.373) 136.433,38.836 cw(c134.766,38.442)
  pour cut-out: 131.101,26.169 cw(c132.229,27.426) 133.854,27.889 cw(c132.187,27.494)
  pour cut-out: 136.397,30.05 cw(c137.525,31.308) 139.15,31.77 cw(c137.482,31.376)
  pour cut-out: 145.75,96.075 ccw(c145.75,98.61) 147.542,96.817 147.725,97 ccw(c146.397,98.328) 148.275,98.328 148.275,95.95 145.725,95.95
  pour cut-out: 50.64,58.25 cw(c51.768,59.508) 53.393,59.97 cw(c51.726,59.576)
  pour cut-out: 131.18,41.068 cw(c132.308,42.325) 133.933,42.788 cw(c132.266,42.393)
  pour cut-out: 136.398,37.097 cw(c137.526,38.354) 139.151,38.817 cw(c137.484,38.423)
  pour cut-out: 70.947,91.062 cw(c72.422,91.062) 72.422,92.537 72.472,92.537 cw(c72.472,91.087) 73.922,91.087 cw(c72.422,91.087) 72.422,89.587 72.397,89.587 cw(c72.397,91.037) 70.947,91.037
  pour cut-out: 51.7,91.077 cw(c53.175,91.077) 53.175,92.552 53.225,92.552 cw(c53.225,91.102) 54.675,91.102 cw(c53.175,91.102) 53.175,89.602 53.15,89.602 cw(c53.15,91.052) 51.7,91.052
  pour cut-out: 76.042,68.758 79.092,68.758 79.092,70.883 ccw(c77.817,70.883) 77.817,72.158 ccw(c77.817,70.058) 75.717,70.058 75.717,68.783
  pour cut-out: 56.89,68.192 61.065,68.192 61.065,70.613 ccw(c59.173,70.328) 58.62,72.16 ccw(c57.783,69.43) 55.053,70.267 55.053,68.192

## Silkscreen, mask and mechanical layers (free items; w line width, h text height)
Top Overlay:
  circle w0.254: c163.075,28.65 r2.905
  text "M.F.2021" at 195.024,64.7 h2.5 r90
  text "StarGate 450 - DC/AC V2.0" at 194.674,23.925 h2.5 r90
  text "PE" at 168.365,16.78 h3
  text "N" at 179.3,16.655 h3
Bottom Overlay:
  circle w0.254: c126.95,91.15 r2.9
  circle w0.254: c92.325,61.275 r2.5
  circle w0.254: c110.175,91.1 r2.9
  circle w0.254: c53.15,91.05 r2.9
  circle w0.254: c58.425,134.625 r5.033
  circle w0.254: c92.7,91.05 r2.9
  circle w0.254: c32.825,91.075 r2.9
  circle w0.254: c72.45,91.05 r2.95
  circle w0.254: c26.375,62.625 r5.033
  circle w0.254: c26.375,77.625 r5.033
  lines w0.254: 21.125,15.4 31.625,15.4 31.625,25.9 21.125,25.9 21.125,15.4 ; 21.175,129.825 31.175,129.825 31.175,139.825 21.175,139.825 21.175,129.825 ; 185.066,15.383 195.566,15.383 195.566,25.883 185.066,25.883 185.066,15.383 ; 185.095,129.386 195.595,129.386 195.595,139.886 185.095,139.886 185.095,129.386
  text "L" at 174.105,51.085 h3 r270
Bottom Solder:
  rectangle: 131.125,132.35 131.9,132.575
Mechanical 1:
  drawing of 413 lines, arcs and shapes, not listed

## Text inside footprints (layer, text, board x,y; h text height)
CMC1: Top Overlay "7 (mm)" at 140.858,33.097 h0.7 r90; Top Overlay "1" at 136.286,39.193 h0.7; Top Overlay "FERYSTER" at 139.842,46.051 h1; Top Overlay "DTS-20-V" at 139.715,22.683 h1; Top Overlay "*" at 141.825,32.094 h0.7 r90; Top Overlay "*" at 141.825,37.616 h0.7 r90; Top Overlay "2" at 136.159,29.795 h0.7; Top Overlay "4" at 150.51,39.193 h0.7; Top Overlay "3" at 150.51,29.795 h0.7; Top Overlay "12 (mm)" at 141.62,40.971 h0.7